# KiCad board DELPHI.kicad_pcb
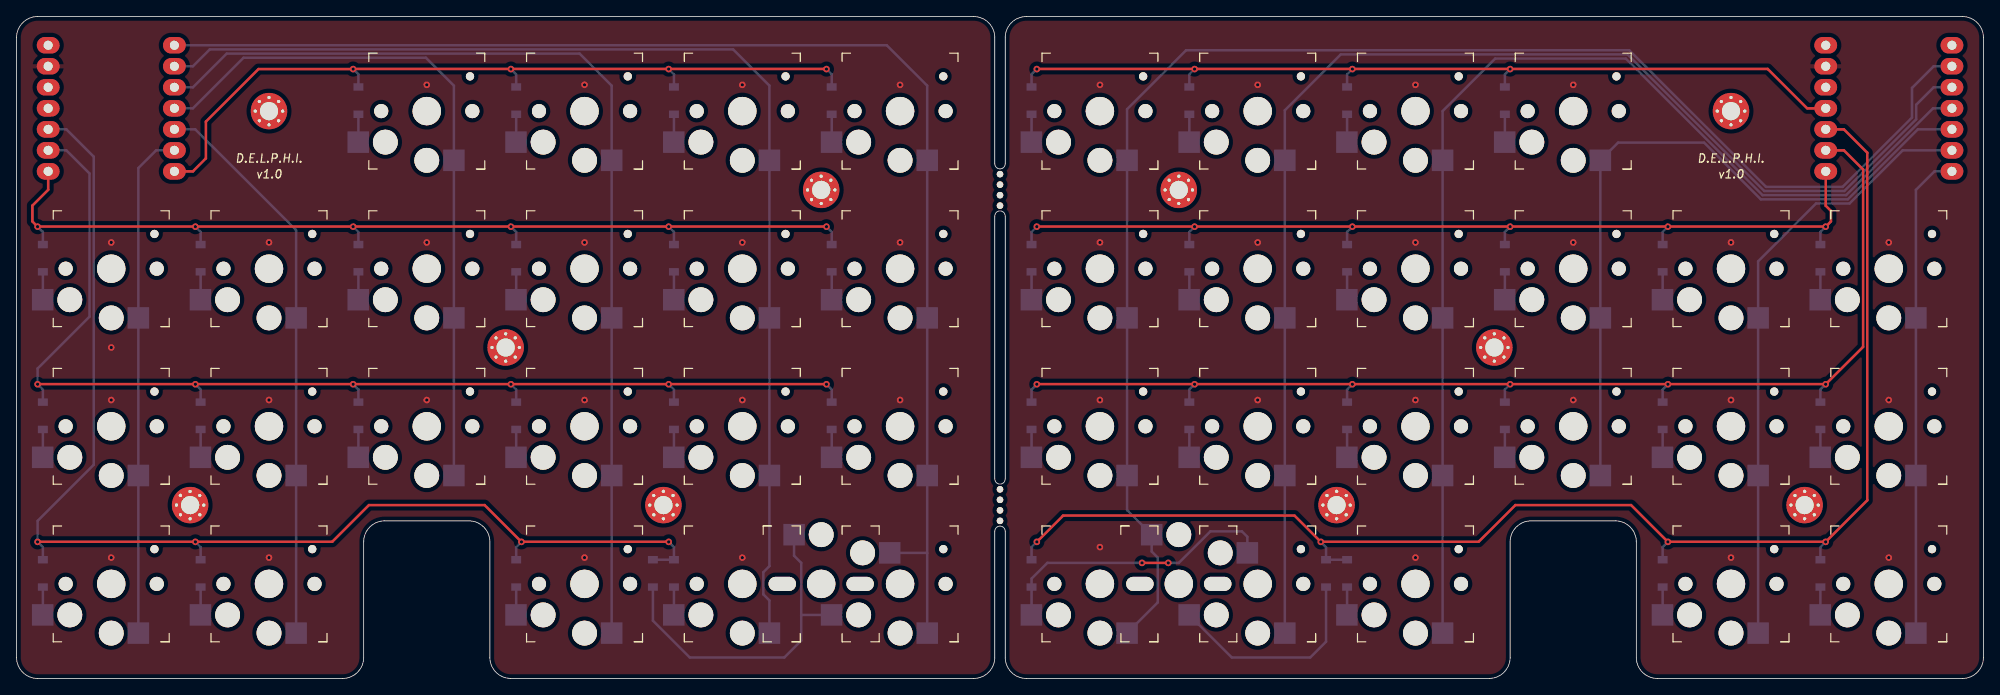
[diagram p0: board, top side]
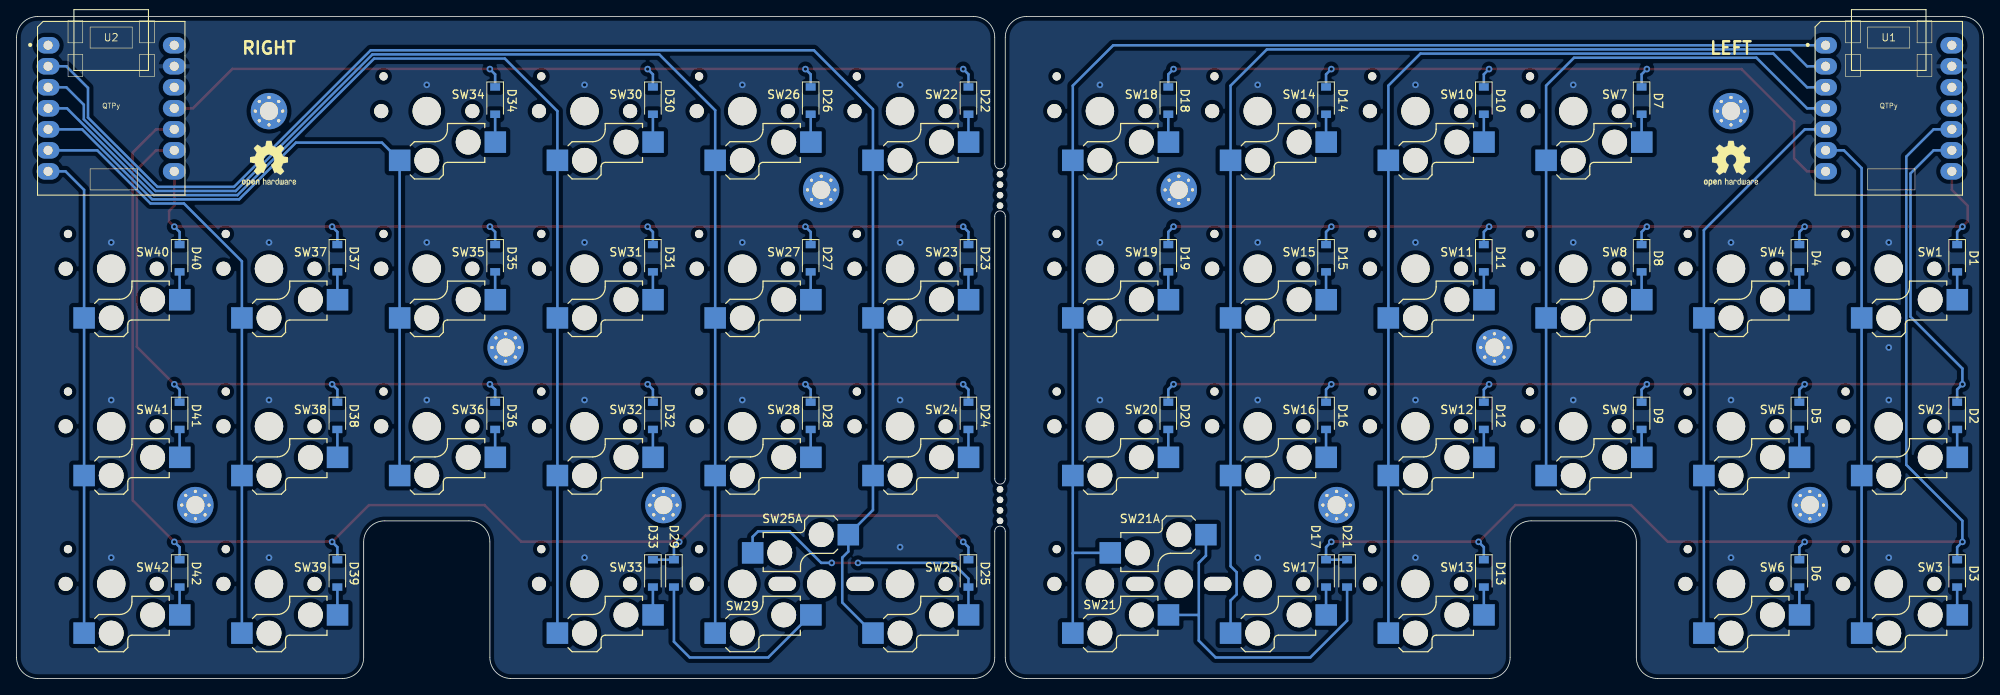
[diagram p1: board, bottom side, seen from below]

Outline 237.49 x 80.01 mm; copper layers: Top, Bottom. Coordinates in mm from the lower left corner of the outline.
Outline path: 0,77.47 arc(0.74,79.27) 2.54,80.01 115.57,80.01 arc(117.37,79.27) 118.11,77.47 118.11,62.23 arc(118.74,61.59) 119.38,62.23 119.38,77.47 arc(120.12,79.27) 121.92,80.01 234.95,80.01 arc(236.75,79.27) 237.49,77.47 237.49,2.54 arc(236.75,0.74) 234.95,0 198.12,0 arc(196.32,0.74) 195.58,2.54 195.58,16.51 arc(194.84,18.31) 193.04,19.05 182.88,19.05 arc(181.08,18.31) 180.34,16.51 180.34,2.54 arc(179.6,0.74) 177.8,0 121.92,0 arc(120.12,0.74) 119.38,2.54 119.38,17.78 arc(118.74,18.41) 118.11,17.78 118.11,2.54 arc(117.37,0.74) 115.57,0 59.69,0 arc(57.89,0.74) 57.15,2.54 57.15,16.51 arc(56.41,18.31) 54.61,19.05 44.45,19.05 arc(42.65,18.31) 41.91,16.51 41.91,2.54 arc(41.17,0.74) 39.37,0 2.54,0 arc(0.74,0.74) 0,2.54 0,77.47 ; 118.11,55.88 arc(118.74,56.51) 119.38,55.88 119.38,24.13 arc(118.74,23.49) 118.11,24.13 118.11,55.88
Stack: Top 0.035mm / dielectric 1.51mm FR4 er 4.5 / Bottom 0.035mm

## Placement (name value [footprint] x y rotation side)
D1  1N4448WT  [D_SOD-123]  3.18 50.8 270 bottom
D2  1N4448WT  [D_SOD-123]  3.18 31.75 270 bottom
D3  1N4448WT  [D_SOD-123]  3.18 12.7 270 bottom
D4  1N4448WT  [D_SOD-123]  22.23 50.8 270 bottom
D5  1N4448WT  [D_SOD-123]  22.23 31.75 270 bottom
D6  1N4448WT  [D_SOD-123]  22.23 12.7 270 bottom
D7  1N4448WT  [D_SOD-123]  41.28 69.85 270 bottom
D8  1N4448WT  [D_SOD-123]  41.28 50.8 270 bottom
D9  1N4448WT  [D_SOD-123]  41.28 31.75 270 bottom
D10  1N4448WT  [D_SOD-123]  60.33 69.85 270 bottom
D11  1N4448WT  [D_SOD-123]  60.33 50.8 270 bottom
D12  1N4448WT  [D_SOD-123]  60.33 31.75 270 bottom
D13  1N4448WT  [D_SOD-123]  60.33 12.7 270 bottom
D14  1N4448WT  [D_SOD-123]  79.38 69.85 270 bottom
D15  1N4448WT  [D_SOD-123]  79.38 50.8 270 bottom
D16  1N4448WT  [D_SOD-123]  79.38 31.75 270 bottom
D17  1N4448WT  [D_SOD-123]  79.38 12.7 270 bottom
D18  1N4448WT  [D_SOD-123]  98.42 69.85 270 bottom
D19  1N4448WT  [D_SOD-123]  98.42 50.8 270 bottom
D20  1N4448WT  [D_SOD-123]  98.42 31.75 270 bottom
D21  1N4448WT  [D_SOD-123]  76.83 12.7 270 bottom
D22  1N4448WT  [D_SOD-123]  122.55 69.85 270 bottom
D23  1N4448WT  [D_SOD-123]  122.55 50.8 270 bottom
D24  1N4448WT  [D_SOD-123]  122.55 31.75 270 bottom
D25  1N4448WT  [D_SOD-123]  122.55 12.7 270 bottom
D26  1N4448WT  [D_SOD-123]  141.61 69.85 270 bottom
D27  1N4448WT  [D_SOD-123]  141.61 50.8 270 bottom
D28  1N4448WT  [D_SOD-123]  141.61 31.75 270 bottom
D29  1N4448WT  [D_SOD-123]  158.12 12.7 270 bottom
D30  1N4448WT  [D_SOD-123]  160.65 69.85 270 bottom
D31  1N4448WT  [D_SOD-123]  160.65 50.8 270 bottom
D32  1N4448WT  [D_SOD-123]  160.65 31.75 270 bottom
D33  1N4448WT  [D_SOD-123]  160.65 12.7 270 bottom
D34  1N4448WT  [D_SOD-123]  179.7 69.85 270 bottom
D35  1N4448WT  [D_SOD-123]  179.7 50.8 270 bottom
D36  1N4448WT  [D_SOD-123]  179.7 31.75 270 bottom
D37  1N4448WT  [D_SOD-123]  198.75 50.8 270 bottom
D38  1N4448WT  [D_SOD-123]  198.75 31.75 270 bottom
D39  1N4448WT  [D_SOD-123]  198.75 12.7 270 bottom
D40  1N4448WT  [D_SOD-123]  217.81 50.8 270 bottom
D41  1N4448WT  [D_SOD-123]  217.81 31.75 270 bottom
D42  1N4448WT  [D_SOD-123]  217.81 12.7 270 bottom
NOREF  -  [unnamed]  118.74 57.15 270 top
NOREF#2  -  [unnamed#2]  145.03 11.43 0 top
NOREF#3  -  [unnamed]  118.74 60.96 270 top
NOREF#4  -  [unnamed]  118.74 19.05 90 top
NOREF#5  -  [unnamed#2]  92.46 11.43 0 top
NOREF#6  -  [unnamed#2]  135.64 11.43 0 top
NOREF#7  -  [unnamed]  118.74 20.32 90 top
NOREF#8  -  [unnamed]  118.74 59.69 270 top
NOREF#9  -  [unnamed]  118.74 21.59 90 top
NOREF#10  -  [unnamed]  118.74 22.86 90 top
NOREF#11  -  [unnamed]  118.74 58.42 270 top
NOREF#12  -  [unnamed#2]  101.85 11.43 0 top
REF**  -  [MountingHole_2.2mm_M2_Pad_Via]  97.16 59.05 0 top
REF**#2  -  [MountingHole_2.2mm_M2_Pad_Via]  207.01 68.58 0 top
REF**#3  -  [MountingHole_2.2mm_M2_Pad_Via]  215.9 20.95 0 top
REF**#4  -  [MountingHole_2.2mm_M2_Pad_Via]  20.95 20.95 0 top
REF**#5  -  [MountingHole_2.2mm_M2_Pad_Via]  30.48 68.58 0 top
REF**#6  -  [MountingHole_2.2mm_M2_Pad_Via]  78.11 20.95 0 top
REF**#7  -  [MountingHole_2.2mm_M2_Pad_Via]  140.33 59.05 0 top
REF**#8  -  [MountingHole_2.2mm_M2_Pad_Via]  178.44 40 0 top
REF**#9  -  [MountingHole_2.2mm_M2_Pad_Via]  59.06 40 0 top
REF**#10  -  [MountingHole_2.2mm_M2_Pad_Via]  159.38 20.95 0 top
REF**#11  -  [OSHW-Logo2_7.3x6mm_SilkScreen]  30.48 62.23 180 bottom
REF**#12  -  [OSHW-Logo2_7.3x6mm_SilkScreen]  207.01 62.23 180 bottom
SW1  SW_Push_45deg  [Kailh_socket_PG1350#2]  11.43 49.53 0 top
SW2  SW_Push_45deg  [Kailh_socket_PG1350#2]  11.43 30.48 0 top
SW3  SW_Push_45deg  [Kailh_socket_PG1350#2]  11.43 11.43 0 top
SW4  SW_Push_45deg  [Kailh_socket_PG1350#2]  30.48 49.53 0 top
SW5  SW_Push_45deg  [Kailh_socket_PG1350#2]  30.48 30.48 0 top
SW6  SW_Push_45deg  [Kailh_socket_PG1350#2]  30.48 11.43 0 top
SW7  SW_Push_45deg  [Kailh_socket_PG1350#2]  49.53 68.58 0 top
SW8  SW_Push_45deg  [Kailh_socket_PG1350#2]  49.53 49.53 0 top
SW9  SW_Push_45deg  [Kailh_socket_PG1350#2]  49.53 30.48 0 top
SW10  SW_Push_45deg  [Kailh_socket_PG1350#2]  68.58 68.58 0 top
SW11  SW_Push_45deg  [Kailh_socket_PG1350#2]  68.58 49.53 0 top
SW12  SW_Push_45deg  [Kailh_socket_PG1350#2]  68.58 30.48 0 top
SW13  SW_Push_45deg  [Kailh_socket_PG1350#2]  68.58 11.43 0 top
SW14  SW_Push_45deg  [Kailh_socket_PG1350#2]  87.63 68.58 0 top
SW15  SW_Push_45deg  [Kailh_socket_PG1350#2]  87.63 49.53 0 top
SW16  SW_Push_45deg  [Kailh_socket_PG1350#2]  87.63 30.48 0 top
SW17  SW_Push_45deg  [Kailh_socket_PG1350]  87.63 11.43 0 top
SW18  SW_Push_45deg  [Kailh_socket_PG1350#2]  106.68 68.58 0 top
SW19  SW_Push_45deg  [Kailh_socket_PG1350#2]  106.68 49.53 0 top
SW20  SW_Push_45deg  [Kailh_socket_PG1350#2]  106.68 30.48 0 top
SW21  SW_Push_45deg  [Kailh_socket_PG1350#4]  106.68 11.43 0 top
SW21A  SW_Push_45deg  [Kailh_socket_PG1350#3]  97.16 11.43 180 top
SW22  SW_Push_45deg  [Kailh_socket_PG1350#2]  130.81 68.58 0 top
SW23  SW_Push_45deg  [Kailh_socket_PG1350#2]  130.81 49.53 0 top
SW24  SW_Push_45deg  [Kailh_socket_PG1350#2]  130.81 30.48 0 top
SW25  SW_Push_45deg  [Kailh_socket_PG1350]  130.81 11.43 0 top
SW25A  SW_Push_45deg  [Kailh_socket_PG1350#3]  140.33 11.43 180 top
SW26  SW_Push_45deg  [Kailh_socket_PG1350#2]  149.86 68.58 0 top
SW27  SW_Push_45deg  [Kailh_socket_PG1350#2]  149.86 49.53 0 top
SW28  SW_Push_45deg  [Kailh_socket_PG1350#2]  149.86 30.48 0 top
SW29  SW_Push_45deg  [Kailh_socket_PG1350#4]  149.86 11.43 0 top
SW30  SW_Push_45deg  [Kailh_socket_PG1350#2]  168.91 68.58 0 top
SW31  SW_Push_45deg  [Kailh_socket_PG1350#2]  168.91 49.53 0 top
SW32  SW_Push_45deg  [Kailh_socket_PG1350#2]  168.91 30.48 0 top
SW33  SW_Push_45deg  [Kailh_socket_PG1350#2]  168.91 11.43 0 top
SW34  SW_Push_45deg  [Kailh_socket_PG1350#2]  187.96 68.58 0 top
SW35  SW_Push_45deg  [Kailh_socket_PG1350#2]  187.96 49.53 0 top
SW36  SW_Push_45deg  [Kailh_socket_PG1350#2]  187.96 30.48 0 top
SW37  SW_Push_45deg  [Kailh_socket_PG1350#2]  207.01 49.53 0 top
SW38  SW_Push_45deg  [Kailh_socket_PG1350#2]  207.01 30.48 0 top
SW39  SW_Push_45deg  [Kailh_socket_PG1350#2]  207.01 11.43 0 top
SW40  SW_Push_45deg  [Kailh_socket_PG1350#2]  226.06 49.53 0 top
SW41  SW_Push_45deg  [Kailh_socket_PG1350#2]  226.06 30.48 0 top
SW42  SW_Push_45deg  [Kailh_socket_PG1350#2]  226.06 11.43 0 top
U1  QTPy  [Seeeduino XIAO-MOUDLE14P-2.54-21X17.8MM]  20.33 58.42 180 bottom
U2  QTPy  [Seeeduino XIAO-MOUDLE14P-2.54-21X17.8MM]  234.96 58.42 180 bottom

## Footprints (pads in the part's own frame, mm; a bottom-side part is the same pattern mirrored in y, then rotated)
D_SOD-123
  rect 0.9x1.2 smd: 1(-1.65,0) 2(1.65,0)
Kailh_socket_PG1350
  round 1.702 hole 1.702 unplated: (-5.5,0)
  round 3 hole 3 unplated: (-5,-3.75) (0,-5.95)
  round 3.429 hole 3.429 unplated: (0,0)
  rect 2.6x2.6 smd far side: 1(3.275,-5.95) 2(-8.275,-3.75)
Kailh_socket_PG1350#2
  round 1.702 hole 1.702 unplated: (-5.5,0) (5.5,0)
  round 3 hole 3 unplated: (-5,-3.75) (0,-5.95)
  round 3.429 hole 3.429 unplated: (0,0)
  round 0.991 hole 0.991 unplated: (5.22,4.2)
  rect 2.6x2.6 smd far side: 1(3.275,-5.95) 2(-8.275,-3.75)
Kailh_socket_PG1350#3
  round 3 hole 3 unplated: (-5,-3.75) (0,-5.95)
  round 3.429 hole 3.429 unplated: (0,0)
  rect 2.6x2.6 smd far side: 1(3.275,-5.95) 2(-8.275,-3.75)
Kailh_socket_PG1350#4
  round 3 hole 3 unplated: (-5,-3.75) (0,-5.95)
  round 3.429 hole 3.429 unplated: (0,0)
  round 0.991 hole 0.991 unplated: (5.22,4.2)
  round 1.702 hole 1.702 unplated: (5.5,0)
  rect 2.6x2.6 smd far side: 1(3.275,-5.95) 2(-8.275,-3.75)
MountingHole_2.2mm_M2_Pad_Via
  round 0.7 hole 0.4: 1(-1.65,0) 1(-1.167,1.167) 1(-1.167,-1.167) 1(0,1.65) 1(0,-1.65) 1(1.167,1.167) 1(1.167,-1.167) 1(1.65,0)
  round 4.4 hole 2.2: 1(0,0)
Seeeduino XIAO-MOUDLE14P-2.54-21X17.8MM
  oval 2.748x1.999 hole 1.1: 1(1.27,18.118) 2(1.27,15.578) 3(1.27,13.038) 4(1.27,10.498) 5(1.27,7.958) 6(1.27,5.418) 7(1.27,2.878) 8(16.51,2.878) 9(16.51,5.418) 10(16.51,7.958) 11(16.51,10.498) 12(16.51,13.038) 13(16.51,15.578) 14(16.51,18.118)
unnamed
  round 0.787 hole 0.787 unplated: (0,0)
unnamed#2
  oval 3.302x1.702 hole 3.302x1.702 unplated: (0,0)

## Nets
GND1: U1.13
GND2: U2.13
COL1L: SW1.1 SW2.1 SW3.1 U1.6
COL1R: SW22.1 SW23.1 SW24.1 SW25.1 SW25A.1 U2.2
COL2L: SW4.1 SW5.1 SW6.1 U1.5
COL2R: SW26.1 SW27.1 SW28.1 SW29.1 U2.3
COL3L: SW7.1 SW8.1 SW9.1 U1.4
COL3R: SW30.1 SW31.1 SW32.1 SW33.1 U2.4
COL4L: SW10.1 SW11.1 SW12.1 SW13.1 U1.3
COL4R: SW34.1 SW35.1 SW36.1 U2.5
COL5L: SW14.1 SW15.1 SW16.1 SW17.1 U1.2
COL5R: SW37.1 SW38.1 SW39.1 U2.6
COL6L: SW18.1 SW19.1 SW20.1 SW21.1 SW21A.2 U1.1
COL6R: SW40.1 SW41.1 SW42.1 U2.7
ROW1L: D7.1 D10.1 D14.1 D18.1 U1.7
ROW1R: D22.1 D26.1 D30.1 D34.1 U2.11
ROW2L: D1.1 D4.1 D8.1 D11.1 D15.1 D19.1 U1.8
ROW2R: D23.1 D27.1 D31.1 D35.1 D37.1 D40.1 U2.8
ROW3L: D2.1 D5.1 D9.1 D12.1 D16.1 D20.1 U1.9
ROW3R: D24.1 D28.1 D32.1 D36.1 D38.1 D41.1 U2.9
ROW4L: D3.1 D6.1 D13.1 D17.1 D21.1 U1.10
ROW4R: D25.1 D29.1 D33.1 D39.1 D42.1 U2.10
Net-(D1-Pad2): D1.2 SW1.2
Net-(D2-Pad2): D2.2 SW2.2
Net-(D3-Pad2): D3.2 SW3.2
Net-(D4-Pad2): D4.2 SW4.2
Net-(D5-Pad2): D5.2 SW5.2
Net-(D6-Pad2): D6.2 SW6.2
Net-(D7-Pad2): D7.2 SW7.2
Net-(D8-Pad2): D8.2 SW8.2
Net-(D9-Pad2): D9.2 SW9.2
Net-(D10-Pad2): D10.2 SW10.2
Net-(D11-Pad2): D11.2 SW11.2
Net-(D12-Pad2): D12.2 SW12.2
Net-(D13-Pad2): D13.2 SW13.2
Net-(D14-Pad2): D14.2 SW14.2
Net-(D15-Pad2): D15.2 SW15.2
Net-(D16-Pad2): D16.2 SW16.2
Net-(D17-Pad2): D17.2 SW17.2
Net-(D18-Pad2): D18.2 SW18.2
Net-(D19-Pad2): D19.2 SW19.2
Net-(D20-Pad2): D20.2 SW20.2
Net-(D21-Pad2): D21.2 SW21.2 SW21A.1
Net-(D22-Pad2): D22.2 SW22.2
Net-(D23-Pad2): D23.2 SW23.2
Net-(D24-Pad2): D24.2 SW24.2
Net-(D25-Pad2): D25.2 SW25.2 SW25A.2
Net-(D26-Pad2): D26.2 SW26.2
Net-(D27-Pad2): D27.2 SW27.2
Net-(D28-Pad2): D28.2 SW28.2
Net-(D29-Pad2): D29.2 SW29.2
Net-(D30-Pad2): D30.2 SW30.2
Net-(D31-Pad2): D31.2 SW31.2
Net-(D32-Pad2): D32.2 SW32.2
Net-(D33-Pad2): D33.2 SW33.2
Net-(D34-Pad2): D34.2 SW34.2
Net-(D35-Pad2): D35.2 SW35.2
Net-(D36-Pad2): D36.2 SW36.2
Net-(D37-Pad2): D37.2 SW37.2
Net-(D38-Pad2): D38.2 SW38.2
Net-(D39-Pad2): D39.2 SW39.2
Net-(D40-Pad2): D40.2 SW40.2
Net-(D41-Pad2): D41.2 SW41.2
Net-(D42-Pad2): D42.2 SW42.2

Pads without a net: REF** 1; REF**#2 1; REF**#3 1; REF**#4 1; REF**#5 1; REF**#6 1; REF**#7 1; REF**#8 1; REF**#9 1; REF**#10 1; U1 11 12 14; U2 1 12 14

## Via types
v1: diameter 0.8, hole 0.4, Top to Bottom, 83 vias

## Routing (per net, layer and track width the routed paths; a pad name or vN(x,y) marks a point on that pad's centre or on a via; arc(x,y) is an arc through that point)
GND1:
  vias: v1(11.43,52.7) v1(11.43,40) v1(11.43,33.66) v1(11.43,14.6) v1(30.48,52.7) v1(30.48,33.66) v1(30.48,14.6) v1(49.53,71.75) v1(49.53,52.7) v1(49.53,33.66) v1(68.58,71.75) v1(68.58,52.7) v1(68.58,33.66) v1(68.58,14.6) v1(87.63,71.75) v1(87.63,52.7) v1(87.63,33.66) v1(87.63,14.6) v1(106.68,71.75) v1(106.68,52.7) v1(106.68,33.66)
GND2:
  vias: v1(130.81,71.75) v1(130.81,52.7) v1(130.81,33.66) v1(130.81,15.88) v1(149.86,71.75) v1(149.86,52.7) v1(149.86,33.66) v1(168.91,71.75) v1(168.91,52.7) v1(168.91,33.66) v1(168.91,14.6) v1(187.96,71.75) v1(187.96,52.7) v1(187.96,33.66) v1(207.01,52.7) v1(207.01,33.66) v1(207.01,14.6) v1(226.06,52.7) v1(226.06,33.66) v1(226.06,14.6)
COL1L: length 61.6
  Bottom w0.305: 19.21,63.84 16.85,63.84 14.7,61.69 SW1.1 SW2.1 SW3.1
COL1R: length 183.9
  Bottom w0.305: 233.68,74 231.48,74 228.87,71.39 228.87,67.8 220.49,59.42 211.24,59.42 194.73,75.93 141.21,75.93 134.08,68.81 SW22.1 SW23.1 SW24.1 134.08,20.35 SW25A.1 137.06,15.34 137.8,14.6 137.8,9.19 SW25.1
COL2L: length 68.3
  Bottom w0.305: SW6.1 SW5.1 SW4.1 33.76,54.19 21.57,66.38 19.21,66.38
COL2R: length 159.6
  Bottom w0.305: SW29.1 SW28.1 SW27.1 SW26.1 153.13,68.68 159.89,75.43 194.52,75.43 211.03,58.92 220.7,58.92 229.37,67.59 229.37,69.35 231.48,71.46 233.68,71.46
COL3L: length 85.1
  Bottom w0.305: SW9.1 SW8.1 SW7.1 52.81,71.66 49.43,75.03 27.41,75.03 21.29,68.92 18.77,68.92
COL3R: length 138.4
  Bottom w0.305: 172.19,5.48 172.19,68.58 178.54,74.93 194.31,74.93 210.82,58.42 220.9,58.42 231.4,68.92 233.68,68.92
COL4L: length 122.5
  Bottom w0.305: 18.77,71.46 21.3,71.46 25.37,75.53 67.98,75.53 71.86,71.66 SW10.1 SW11.1 SW12.1 SW13.1
COL4R: length 87.8
  Bottom w0.305: SW36.1 SW35.1 SW34.1 193.38,64.77 203.76,64.77 210.61,57.92 221.11,57.92 229.57,66.38 233.68,66.38
COL5L: length 141.6
  Bottom w0.305: 18.77,74 21.29,74 23.33,76.04 86.52,76.04 90.91,71.66 SW14.1 SW15.1 SW16.1 90.91,13.58 90.17,12.84 90.17,10.16 90.91,9.42 SW17.1
COL5R: length 73.9
  Bottom w0.305: SW39.1 SW38.1 SW37.1 210.29,50.42 217.28,57.42 221.32,57.42 227.74,63.84 233.68,63.84
COL6L: length 163.9
  Bottom w0.305: 109.95,15.14 109.92,15.18 SW21A.2 ; 109.95,15.14 SW20.1 SW19.1 SW18.1 109.95,71.66 105.07,76.54 18.77,76.54 ; 109.95,15.14 SW21.1
COL6R: length 58.8
  Bottom w0.305: 233.68,61.3 231.58,61.3 229.33,59.05 SW40.1 SW41.1 SW42.1
ROW1L: length 96.5
  Top w0.305: 18.77,61.3 21.29,61.3 22.86,62.86 22.86,67.31 29.21,73.66 v1(40.64,73.66) 40.66,73.68 59.67,73.68 v1(59.69,73.66) 59.71,73.68 78.72,73.68 v1(78.74,73.66) 78.76,73.68 97.77,73.68 v1(97.79,73.66)
  Bottom w0.305: D14.1 79.38,73.02 v1(78.74,73.66) ; D10.1 60.33,73.02 v1(59.69,73.66) ; v1(97.79,73.66) 98.42,73.02 D18.1 ; v1(40.64,73.66) 41.28,73.02 D7.1
ROW1R: length 107
  Top w0.305: v1(123.19,73.66) 123.21,73.68 142.22,73.68 v1(142.24,73.66) 142.26,73.68 161.27,73.68 v1(161.29,73.66) 161.31,73.68 180.32,73.68 v1(180.34,73.66) 180.36,73.68 211.44,73.68 216.2,68.92 218.44,68.92
  Bottom w0.305: v1(142.24,73.66) 141.61,73.02 D26.1 ; v1(180.34,73.66) 179.7,73.02 D34.1 ; D22.1 122.55,73.02 v1(123.19,73.66) ; v1(161.29,73.66) 160.65,73.02 D30.1
ROW2L: length 117.6
  Top w0.305: v1(97.79,54.61) 97.77,54.63 78.76,54.63 v1(78.74,54.61) 78.72,54.63 59.71,54.63 v1(59.69,54.61) 59.67,54.63 40.66,54.63 v1(40.64,54.61) 40.62,54.63 21.61,54.63 v1(21.59,54.61) 21.57,54.63 2.56,54.63 v1(2.54,54.61) 1.91,55.24 1.91,57.15 3.82,59.06 U1.8
  Bottom w0.305: v1(21.59,54.61) 22.23,53.97 D4.1 ; D11.1 60.33,53.97 v1(59.69,54.61) ; D8.1 41.28,53.97 v1(40.64,54.61) ; v1(78.74,54.61) 79.38,53.97 D15.1 ; D19.1 98.42,53.97 v1(97.79,54.61) ; v1(2.54,54.61) 3.18,53.97 D1.1
ROW2R: length 117.1
  Top w0.305: v1(123.19,54.61) 123.21,54.63 142.22,54.63 v1(142.24,54.61) 142.26,54.63 161.27,54.63 v1(161.29,54.61) 161.31,54.63 180.32,54.63 v1(180.34,54.61) 180.36,54.63 199.37,54.63 v1(199.39,54.61) 199.41,54.63 218.42,54.63 v1(218.44,54.61) 219.07,55.24 219.07,56.51 218.45,57.14 U2.8
  Bottom w0.305: D31.1 160.65,53.97 v1(161.29,54.61) ; v1(199.39,54.61) 198.75,53.97 D37.1 ; v1(123.19,54.61) 122.55,53.97 D23.1 ; D35.1 179.7,53.97 v1(180.34,54.61) ; D27.1 141.61,53.97 v1(142.24,54.61) ; v1(218.44,54.61) 217.81,53.97 D40.1
ROW3L: length 144.4
  Top w0.305: v1(97.79,35.56) 97.77,35.58 78.76,35.58 v1(78.74,35.56) 78.72,35.58 59.71,35.58 v1(59.69,35.56) 59.67,35.58 40.66,35.58 v1(40.64,35.56) 40.62,35.58 21.61,35.58 v1(21.59,35.56) 21.57,35.58 2.56,35.58 v1(2.54,35.56)
  Bottom w0.305: 3.53,63.84 6.01,63.84 8.81,61.04 8.81,43.74 2.54,37.46 v1(2.54,35.56) 3.18,34.92 D2.1 ; D9.1 41.28,34.92 v1(40.64,35.56) ; v1(97.79,35.56) 98.42,34.92 D20.1 ; v1(59.69,35.56) 60.33,34.92 D12.1 ; D5.1 22.23,34.92 v1(21.59,35.56) ; v1(78.74,35.56) 79.38,34.92 D16.1
ROW3R: length 143.2
  Top w0.305: 218.44,63.84 220.64,63.84 222.96,61.52 222.96,40.08 v1(218.44,35.56) 218.42,35.58 199.41,35.58 v1(199.39,35.56) 199.37,35.58 180.36,35.58 v1(180.34,35.56) 180.32,35.58 161.31,35.58 v1(161.29,35.56) 161.27,35.58 142.26,35.58 v1(142.24,35.56) 142.22,35.58 123.21,35.58 v1(123.19,35.56)
  Bottom w0.305: D41.1 217.81,34.92 v1(218.44,35.56) ; v1(123.19,35.56) 122.55,34.92 D24.1 ; D38.1 198.75,34.92 v1(199.39,35.56) ; v1(180.34,35.56) 179.7,34.92 D36.1 ; D28.1 141.61,34.92 v1(142.24,35.56) ; v1(161.29,35.56) 160.65,34.92 D32.1
ROW4L: length 148.7
  Top w0.305: v1(78.74,16.51) 78.72,16.53 60.98,16.53 v1(60.96,16.51) 56.52,20.95 42.55,20.95 38.12,16.53 21.61,16.53 v1(21.59,16.51) 21.57,16.53 2.56,16.53 v1(2.54,16.51)
  Bottom w0.305: D6.1 22.23,15.88 v1(21.59,16.51) ; v1(60.96,16.51) 60.33,15.88 D13.1 ; v1(78.74,16.51) 79.38,15.88 D17.1 D21.1 ; D3.1 3.18,15.88 v1(2.54,16.51) 2.54,19.05 9.31,25.82 9.31,63.08 6.01,66.38 3.53,66.38
ROW4R: length 169.1
  Top w0.305: v1(123.19,16.51) 126.36,19.68 154.31,19.68 v1(157.48,16.51) 157.5,16.53 176.55,16.53 180.98,20.95 194.94,20.95 v1(199.39,16.51) 199.41,16.53 218.42,16.53 v1(218.44,16.51) 223.46,21.53 223.46,63.56 220.64,66.38 218.44,66.38
  Bottom w0.305: D25.1 122.55,15.88 v1(123.19,16.51) ; D42.1 217.81,15.88 v1(218.44,16.51) ; v1(199.39,16.51) 198.75,15.88 D39.1 ; v1(157.48,16.51) 158.12,15.88 D29.1 D33.1
Net-(D1-Pad2): length 3.3
  Bottom w0.305: D1.2 3.18,45.8
Net-(D2-Pad2): length 3.3
  Bottom w0.305: D2.2 3.18,26.75
Net-(D3-Pad2): length 3.4
  Bottom w0.305: D3.2 3.18,7.7
Net-(D4-Pad2): length 3.3
  Bottom w0.305: D4.2 22.23,45.8
Net-(D5-Pad2): length 3.3
  Bottom w0.305: D5.2 22.23,26.75
Net-(D6-Pad2): length 3.4
  Bottom w0.305: D6.2 22.23,7.7
Net-(D7-Pad2): length 3.4
  Bottom w0.305: D7.2 41.28,64.85
Net-(D8-Pad2): length 3.3
  Bottom w0.305: D8.2 41.28,45.8
Net-(D9-Pad2): length 3.3
  Bottom w0.305: D9.2 41.28,26.75
Net-(D10-Pad2): length 3.4
  Bottom w0.305: D10.2 60.33,64.85
Net-(D11-Pad2): length 3.3
  Bottom w0.305: D11.2 60.33,45.8
Net-(D12-Pad2): length 3.3
  Bottom w0.305: D12.2 60.33,26.75
Net-(D13-Pad2): length 3.4
  Bottom w0.305: D13.2 60.33,7.7
Net-(D14-Pad2): length 3.4
  Bottom w0.305: D14.2 79.38,64.85
Net-(D15-Pad2): length 3.3
  Bottom w0.305: D15.2 79.38,45.8
Net-(D16-Pad2): length 3.3
  Bottom w0.305: D16.2 79.38,26.75
Net-(D17-Pad2): length 3.4
  Bottom w0.305: D17.2 79.38,7.7
Net-(D18-Pad2): length 3.4
  Bottom w0.305: D18.2 98.42,64.85
Net-(D19-Pad2): length 3.3
  Bottom w0.305: D19.2 98.42,45.8
Net-(D20-Pad2): length 3.3
  Bottom w0.305: D20.2 98.42,26.75
Net-(D21-Pad2): length 41.5
  Bottom w0.305: 94.74,7.62 94.74,4.57 92.71,2.54 81.28,2.54 76.83,6.98 D21.2 ; 94.74,7.62 94.74,13.97 93.88,14.83 SW21A.1 ; 94.74,7.62 94.8,7.68 SW21.2
Net-(D22-Pad2): length 3.4
  Bottom w0.305: D22.2 122.55,64.85
Net-(D23-Pad2): length 3.3
  Bottom w0.305: D23.2 122.55,45.8
Net-(D24-Pad2): length 3.3
  Bottom w0.305: D24.2 122.55,26.75
Net-(D25-Pad2): length 35
  Top w0.305: v1(135.89,13.97) v1(139.06,13.97)
  Bottom w0.305: SW25A.2 148.61,17.12 147.95,17.78 144.14,17.78 140.33,13.97 v1(139.06,13.97) ; 122.55,7.7 D25.2 122.55,12.06 124.46,13.97 v1(135.89,13.97)
Net-(D26-Pad2): length 3.4
  Bottom w0.305: D26.2 141.61,64.85
Net-(D27-Pad2): length 3.3
  Bottom w0.305: D27.2 141.61,45.8
Net-(D28-Pad2): length 3.3
  Bottom w0.305: D28.2 141.61,26.75
Net-(D29-Pad2): length 26.1
  Bottom w0.305: D29.2 158.12,4.44 156.21,2.54 146.73,2.54 SW29.2
Net-(D30-Pad2): length 3.4
  Bottom w0.305: D30.2 160.65,64.85
Net-(D31-Pad2): length 3.3
  Bottom w0.305: D31.2 160.65,45.8
Net-(D32-Pad2): length 3.3
  Bottom w0.305: D32.2 160.65,26.75
Net-(D33-Pad2): length 3.4
  Bottom w0.305: D33.2 160.65,7.7
Net-(D34-Pad2): length 3.4
  Bottom w0.305: D34.2 179.7,64.85
Net-(D35-Pad2): length 3.3
  Bottom w0.305: D35.2 179.7,45.8
Net-(D36-Pad2): length 3.3
  Bottom w0.305: D36.2 179.7,26.75
Net-(D37-Pad2): length 3.3
  Bottom w0.305: D37.2 198.75,45.8
Net-(D38-Pad2): length 3.3
  Bottom w0.305: D38.2 198.75,26.75
Net-(D39-Pad2): length 3.4
  Bottom w0.305: D39.2 198.75,7.7
Net-(D40-Pad2): length 3.3
  Bottom w0.305: D40.2 217.81,45.8
Net-(D41-Pad2): length 3.3
  Bottom w0.305: D41.2 217.81,26.75
Net-(D42-Pad2): length 3.4
  Bottom w0.305: D42.2 217.81,7.7

## Copper pours and planes (outline as drawn; the poured copper is in the pictures)
GND1 on Top, Bottom: 118.11,-0.64 -0.63,-0.64 -0.63,80.64 118.11,80.64
GND2 on Top, Bottom: 238.12,-0.64 119.38,-0.64 119.38,80.64 238.12,80.64

## Text on the board
B.Silkscreen: LEFT | RIGHT
F.Silkscreen: D.E.L.P.H.I. | v1.0
